# KiCad board hw-openmower-sabo.kicad_pcb (continued)
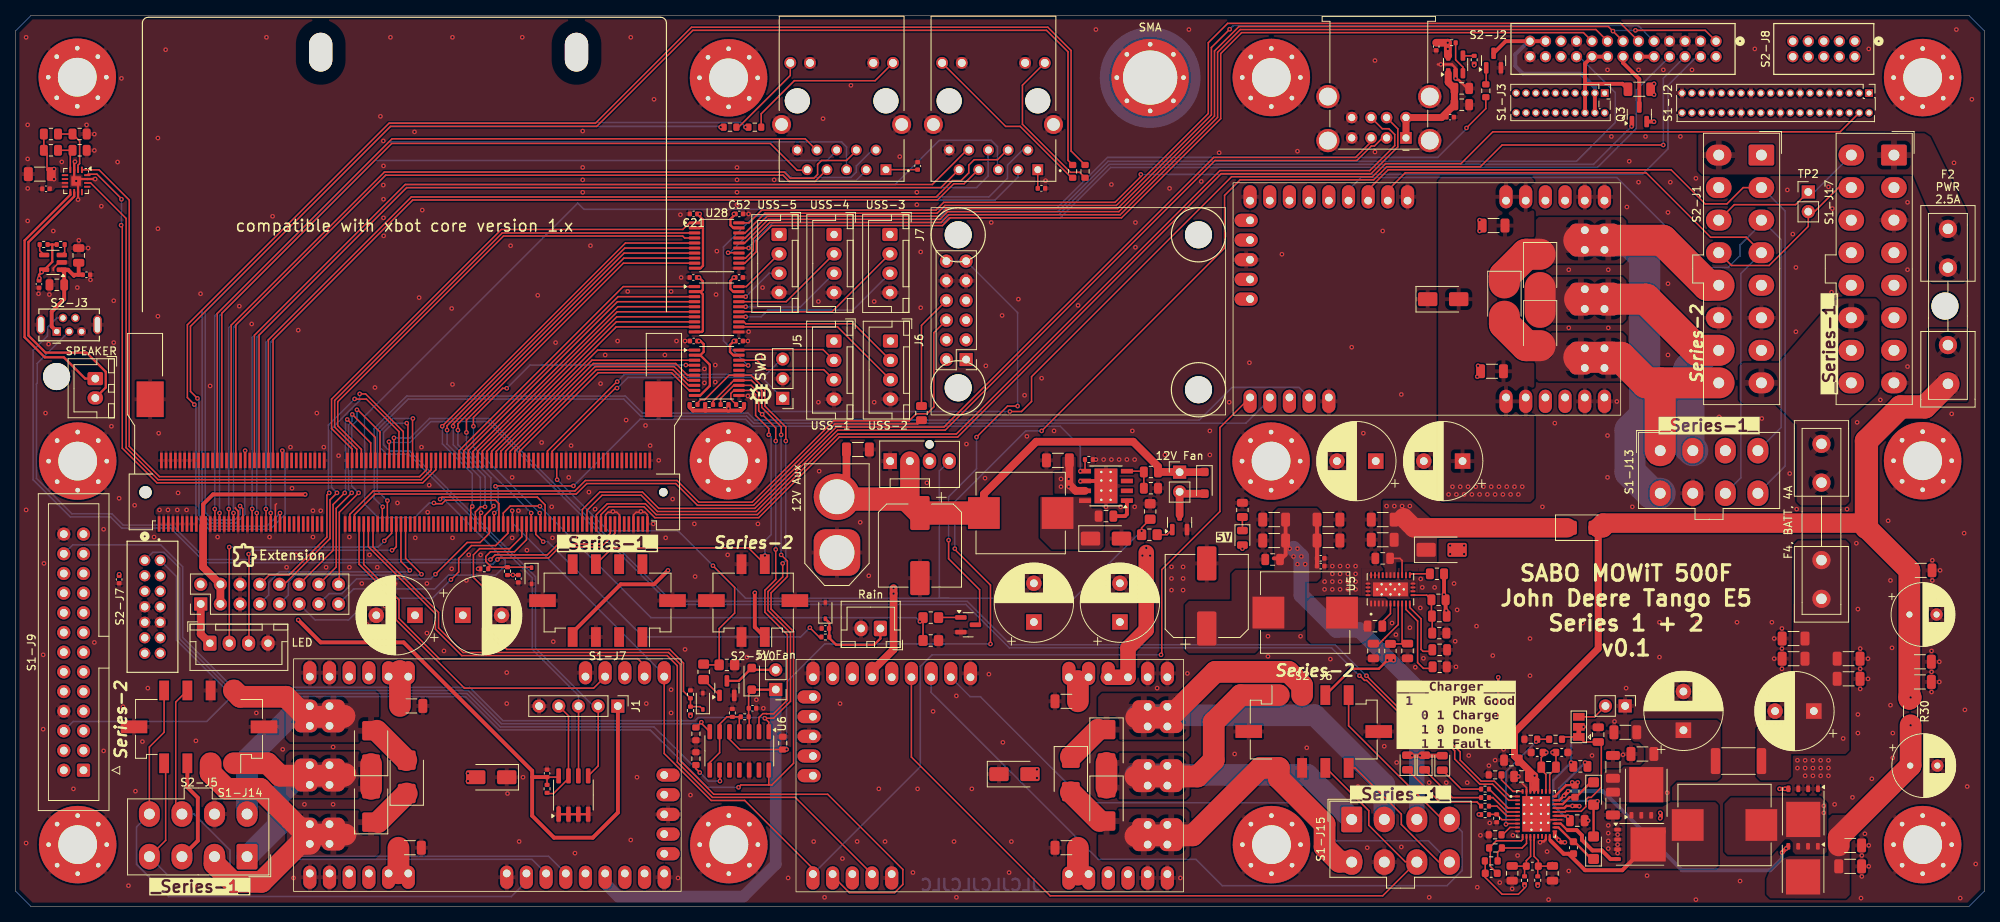
[diagram p0: board, top side]
## Nets (continued)
/Core/ETH0.PAIR_A_N: J26.63
/Core/ETH0.PAIR_A_P: J26.65
/Core/ETH0.PAIR_B_N: J26.64
/Core/ETH0.PAIR_B_P: J26.66
/Core/ETH0.PAIR_C_N: J26.57
/Core/ETH0.PAIR_C_P: J26.59
/Core/ETH0.PAIR_D_N: J26.58
/Core/ETH0.PAIR_D_P: J26.60
/Core/USBH4.N: J26.195
/Core/USBH4.P: J26.193
/DCDC/BIAS: C51.2 R26.2 U5.9
/FDCAN1.RX: J26.118
/FDCAN1.TX: J26.116
/GPIO0: J26.145 U8.11 U9.11 U10.11
/GPIO1: J26.131 U28.6
/GPIO2: J26.141 R24.2 R25.1
/GPIO3: J26.139 R32.2
/GPIO4: J26.137 R46.1 U4.5
/GPIO5: J26.133 U28.8
/GPIO6: J26.135 J32.13
/GPIO7: J26.143 J32.11
/GPIO8: J26.129 U28.7
/GPIO9: J26.127 U28.5
/GPIO10: J26.148 U11.9
/GPIO11: J26.146 U11.8
/GPIO12: J26.144 U11.7
/GPIO13: J26.142 U11.6
/GPIO14: J26.140 U11.3
/GPIO15: J26.138 U11.1
/GPIO16: J26.136 U12.9
/GPIO17: J26.134 U12.8
/GPIO18: J26.132 U12.7
/GPIO19: J26.130 U12.6
/GPIO20: J26.128 U12.5
/GPIO21: J26.122 U12.1
/GPIO22: J26.124 U12.3
/GPIO23: J26.126 U12.4
/I2C1.SCL: J26.94 U27.1
/I2C1.SDA: J26.92 U27.2
/I2C2.SCL: J26.98 J32.10
/I2C2.SDA: J26.96 J32.8
/I2C4_ID.SCL: J1.3 J26.102 U7.6
/I2C4_ID.SDA: J1.2 J26.100 U7.5
/I2S.CK: J26.112 U3.16
/I2S.SDI: J26.106
/I2S.SDO: J26.108 U3.1
/I2S.WS: J26.110 U3.14
/RASPI_FAN_ON: J26.164 J33.4 R52.2 R53.1 R60.2 R65.1
/RobotConnectors/BMC_GN: S1-J17.10 S2-J1.12 TP2.2
/RobotConnectors/BMC_YW: S1-J17.9 S2-J1.11 TP2.1
/RobotConnectors/BTN_~{CE}: S2-J2.8 U28.15
/RobotConnectors/HALL0_5V: R51.1 S1-J9.24 U6.1 U11.15
/RobotConnectors/HALL1_5V: R50.1 S1-J9.6 U6.14 U11.14
/RobotConnectors/HALL2_5V: R49.2 S1-J2.4 U6.2 U11.13
/RobotConnectors/HALL3_5V: R48.2 S1-J7.7 S2-J10.3 U11.12
/RobotConnectors/LATCH_LOAD: S2-J2.1 S2-J2.13 U28.16
/RobotConnectors/LCD_BACKLIGHT_ANODE: R29.1 S1-J3.5 S1-J3.6 S2-J2.16 S2-J2.18
/RobotConnectors/LCD_BACKLIGHT_KATHODE: Q2.3 S1-J3.3 S1-J3.4 S2-J2.23 S2-J2.25
/RobotConnectors/LCD_IN_X: S2-J2.15 U28.13
/RobotConnectors/LCD_IN_Y: S2-J2.17 U28.12
/RobotConnectors/LCD_IN_Z: S2-J2.20 U11.17
/RobotConnectors/MC_HALL_SENSOR.U: S1-J13.4 S2-J1.3 U9.4
/RobotConnectors/MC_HALL_SENSOR.V: S1-J13.8 S2-J1.2 U9.5
/RobotConnectors/MC_HALL_SENSOR.W: S1-J13.7 S2-J1.4 U9.6
/RobotConnectors/MC_PHASE.U: D12.2 D14.2 S1-J13.1 S2-J1.16 U9.U
/RobotConnectors/MC_PHASE.V: D12.1 D13.2 S1-J13.2 S2-J1.15 U9.V
/RobotConnectors/MC_PHASE.W: D13.1 D14.1 S1-J13.5 S2-J1.13 U9.W
/RobotConnectors/ML_HALL_SENSOR.U: S1-J14.7 S2-J5.7 U8.4
/RobotConnectors/ML_HALL_SENSOR.V: S1-J14.4 S2-J5.4 U8.5
/RobotConnectors/ML_HALL_SENSOR.W: S1-J14.8 S2-J5.8 U8.6
/RobotConnectors/ML_PHASE.U: D8.2 D10.2 S1-J14.5 S2-J5.5 U8.U
/RobotConnectors/ML_PHASE.V: D8.1 D9.2 S1-J14.1 S2-J5.1 U8.V
/RobotConnectors/ML_PHASE.W: D9.1 D10.1 S1-J14.2 S2-J5.2 U8.W
/RobotConnectors/MR_HALL_SENSOR.U: S1-J15.7 S2-J6.7 U10.4
/RobotConnectors/MR_HALL_SENSOR.V: S1-J15.4 S2-J6.4 U10.5
/RobotConnectors/MR_HALL_SENSOR.W: S1-J15.8 S2-J6.8 U10.6
/RobotConnectors/MR_PHASE.U: D18.2 D20.2 S1-J15.5 S2-J6.5 U10.U
/RobotConnectors/MR_PHASE.V: D18.1 D19.2 S1-J15.1 S2-J6.1 U10.V
/RobotConnectors/MR_PHASE.W: D19.1 D20.1 S1-J15.2 S2-J6.2 U10.W
/RobotConnectors/OE: Q3.3 S2-J2.14
/RobotConnectors/SPI_CLK: S2-J2.9 U28.17
/RobotConnectors/SPI_RX: S2-J2.4 U28.20
/RobotConnectors/SPI_TX: S2-J2.11 U28.18
/RobotConnectors/USS_1_ECHO_5V: J5.3 U11.18
/RobotConnectors/USS_1_TRIGGER_5V: J5.2 U11.20
/RobotConnectors/USS_2_ECHO_5V: J6.3 U12.12
/RobotConnectors/USS_2_TRIGGER_5V: J6.2 U12.13
/RobotConnectors/USS_3_ECHO_5V: J7.3 U12.14
/RobotConnectors/USS_3_TRIGGER_5V: J7.2 U12.15
/RobotConnectors/USS_4_ECHO_5V: J8.3 U12.16
/RobotConnectors/USS_4_TRIGGER_5V: J8.2 U12.17
/RobotConnectors/USS_5_ECHO_5V: J9.3 U12.18
/RobotConnectors/USS_5_TRIGGER_5V: J9.2 U12.20
/RobotConnectors/~{OE}: Q3.1 U28.14
/SPI1.MISO: J26.76 U28.1
/SPI1.MOSI: J26.78 U28.3
/SPI1.SCK: J26.80 U28.4
/SPI2.MISO: J26.84 J32.12
/SPI2.MOSI: J26.86 J32.14
/SPI2.SCK: J26.88 J32.16
/STM_SWCLK: J26.160 J31.3
/STM_SWDIO: J26.162 J31.1
/UART1.RX: J26.81 U8.12
/UART1.TX: J26.79 U8.14
/UART2.RX: J26.91 U9.12
/UART2.TX: J26.89 U9.14
/UART4.RX: J26.85 U10.12
/UART4.TX: J26.83 U10.14
/UART6.RX: J26.77 R58.2
/UART6.TX: J26.75 U13.9
/UART7.RX: J19.3 J26.95
/UART7.TX: J19.2 J26.93
/UART8.RX: J26.99 J32.9
/UART8.TX: J26.97 J32.7
/UART10.RX: J26.103
/UART10.TX: J26.101
/USB_EXT.N: J26.189 S2-J3.2
/USB_EXT.P: J26.187 S2-J3.3
/V_CHARGE: C38.1 C39.1 C42.1 C62.2 C79.1 C80.1 C85.2 C86.1 D28.2 F2.2 R21.1 R22.1 R30.1 R54.2 U27.30 U27.32 U27.33 U27.34
/xESC1/TEMPERATURE: U9.3
/xESC2/TEMPERATURE: U10.3
/xESC/TEMPERATURE: U8.3
/~{WC}: J1.4 R31.2 U7.7
Net-(C29-Pad2): C29.2 L1.1 U5.1 U5.2 U5.3 U5.4 U5.5
Net-(D1-K): D1.1 R19.1
Net-(D2-A): D2.2 D26.2 R66.2
Net-(D2-K): C48.2 D2.1 U27.20
Net-(D5-K): D5.1 R34.1
Net-(D6-K): D6.1 R35.1
Net-(D16-K): C12.2 D16.1 L3.1 U4.8
Net-(D21-K): C15.1 D21.1 J17.1 R47.2
Net-(D22-A): D22.2 M1.2 Q4.3
Net-(D25-A): D25.2 M2.2 Q5.3
Net-(D26-K): C76.2 D26.1 U27.26
Net-(D29-K): D29.1 R76.1
Net-(J16-VBUS1): C3.1 C4.1 C5.2 J16.1 J16.5 U1.1
Net-(J23-P1): C22.2 J23.1
Net-(J23-Pad11): J23.11 R11.2
Net-(J23-Pad14): J23.14 R12.2
Net-(J24-P1): C23.2 J24.1
Net-(J24-Pad11): J24.11 R13.2
Net-(J24-Pad14): J24.14 R14.2
Net-(JP1-B): JP1.3 TP1.2
Net-(Q1-D): Q1.3 U13.6 U13.12
Net-(Q1-G): Q1.1 R25.2
Net-(Q2-G): Q2.1 R32.1
Net-(Q4-G): Q4.1 R53.2
Net-(Q5-G): Q5.1 R65.2
Net-(Q6-D): C40.1 C41.1 C61.1 C77.1 C85.1 Q6.5 R30.2 U27.29
Net-(Q6-G): Q6.4 U27.27
Net-(Q7-D): C76.1 L4.1 Q6.1 Q6.2 Q6.3 Q7.5 U27.28
Net-(Q7-G): Q7.4 U27.25
Net-(Q8-D): C50.1 C55.1 C56.1 C58.1 C59.1 Q8.5 R67.2 R68.1
Net-(Q8-G): Q8.4 U27.19
Net-(Q9-D): C48.1 L4.2 Q8.1 Q8.2 Q8.3 Q9.5 U27.18
Net-(Q9-G): Q9.4 U27.21
Net-(S2-J2-Pin_6): R28.1 S2-J2.6 U6.5
Net-(S2-J3-VBUS): C6.1 C7.1 C8.2 S2-J3.1 U2.1
Net-(S2-J7-Pin_1): R10.1 S2-J7.1 U6.7
Net-(S2-J7-Pin_2): R9.1 S2-J7.2 U6.9
Net-(U1-EN): R1.1 U1.4
Net-(U1-~{FLT}): R3.2 U1.3
Net-(U2-EN): R2.1 U2.4
Net-(U2-~{FLT}): R4.2 U2.3
Net-(U3-GAIN_SLOT): R7.2 R8.1 U3.2
Net-(U3-~{SD_MODE}): R5.2 R6.1 U3.4
Net-(U4-BOOT): C12.1 U4.1
Net-(U4-VSENSE): R44.2 R45.1 U4.4
Net-(U5-CBOOT): C29.1 U5.6
Net-(U5-FB): C30.2 R17.2 R18.1 U5.12
Net-(U5-PGOOD): R16.1 U5.16
Net-(U5-RT): R15.1 U5.10
Net-(U5-SS_TRK): C27.1 U5.11
Net-(U5-VCC): C28.2 U5.8
Net-(U13-TXD): R58.1 U13.10
Net-(U27-FSW_SYNC): R74.2 U27.36
Net-(U27-ICHG): R20.2 U27.9
Net-(U27-~{CE}): R21.2 R75.1 U27.7

Pads without a net: J26 20 22 105 107 109 111 113 115 117 119 121 123 125 150 152 154 156 158 161 163 165 166 167 169 170 171 172 176 178 182 184 188 190 194 196 199 200 201 202; J33 3; S1-J2 1 2 5 6 7 8 11 12 13 14 16 17 18 19 21 22 23 24 26 27 29 30 31 32 34 35 36 37 38 40; S1-J3 1 2 7 8 9 10 11 12 13 14 15 16 17 18 19 20; S1-J7 1 2 5 6 8; S1-J9 1 2 3 4 5 9 10 11 12 13 14 15 16 17 18 19 20 21 22 23; S1-J17 2 4 5 6 7 11 12 13 15 16; S2-J1 5 7; S2-J2 2 21 22 24; S2-J3 4; S2-J7 4 5 6 8 11 12 13 14; S2-J8 1 2 3 4 5 6 7 8 9 10; U3 5 6 12 13; U4 2 3; U5 7 23; U6 10 11 13; U8 1 2 7 8 9 10 13; U9 1 2 7 8 9 10 13; U10 1 2 7 8 9 10 13; U11 16; U13 1 3 4 7; U27 3 15 16 31

## Via types
v1: diameter 0.6, hole 0.3, Top to Bottom, 748 vias

## Routing (per net, layer and track width the routed paths; a pad name or vN(x,y) marks a point on that pad's centre or on a via; arc(x,y) is an arc through that point)
/3.3V: length 221.9
  Top w0.2: 68.57,15.59 C63.1 69.91,16.7 ; v1(88.17,72.98) 88.07,73.08
  Top w0.3: v1(88.17,81.18) 88.67,80.68 88.67,79.58 88.44,79.36 U12.2 88.32,79.36 88.67,79.01 88.67,74.28 88.54,74.16 U12.10 ; 87.59,65.96 88.32,65.96 89.57,67.21 89.57,69.92 88.33,71.16 87.59,71.16 88.34,71.16 88.77,71.58 88.77,72.58 88.37,72.98 v1(88.17,72.98) ; 87.59,87.58 88.37,87.58 88.52,87.73 ; 88.52,87.73 88.68,87.57 88.68,82.7 88.37,82.38 87.59,82.38 ; 88.52,87.73 88.68,87.9 88.68,88.65 C21.1
  Top w0.5: C63.1 66.65,16.7 ; 66.65,16.7 66.65,11.7 69.47,8.88 74.47,8.88 77.71,12.12 77.71,25.86 ; 66.65,16.7 66.65,17.5 50.07,34.08 39.37,34.08 v1(36.47,36.98) ; v1(37.37,53.18) 25.47,53.18 24.19,51.91 24.19,49.09
  Top w1: 24.19,49.09 24.19,43.82 J32.4 J32.3
  In2.Cu-PWR w0.5: v1(88.27,89.38) 88.17,74.08 88.17,69.68 83.27,64.78 66.47,64.78 57.47,55.78 39.97,55.78 v1(37.37,53.18) ; v1(36.47,36.98) 36.37,36.88 28.59,36.88 J32.3
/5V: length 979
  Top w0.2: R5.1 R7.1 ; 94.64,24.42 U6.3 ; C9.1 4.07,95.07 4.07,97.19 ; v1(92.67,72.98) 92.78,72.98 ; 94.57,24.49 94.57,27.38 94.97,27.78
  Top w0.3: 4.74,85.43 R2.2 ; 4.74,85.43 R4.1 ; 4.74,85.43 4.74,83.2 3.72,82.18 ; C52.1 v1(92.67,89.38) 92.67,89.16 92.23,88.73 92.23,87.95 92.59,87.58 U28.19 ; U12.19 92.58,79.36 92.22,79.72 92.22,80.73 v1(92.67,81.18) ; U11.19 92.59,71.16 92.17,71.58 92.17,72.48 v1(92.67,72.98) ; S2-J6.3 172.37,30.68 175.87,30.68 v1(176.97,31.78) ; C2.1 3.03,81.05 v1(3.07,81.08) 3.03,81.12 3.03,81.52 3.37,81.86 v1(3.37,81.88) 3.39,81.88 U2.5 ; D22.1 98.04,27.98
  Top w0.5: R49.1 91.98,64.29 v1(91.97,64.28) 91.98,64.27 91.98,64.02 91.97,64.01 ; 183.97,19.47 181.18,19.47 v1(181.17,19.48) 181.16,19.47 180.18,19.47 v1(180.17,19.48) 180.16,19.47 179.62,19.47 ; 88.97,64.01 87.41,64.01 86.96,64.46 R51.2 ; 88.97,64.01 88.96,64.02 R50.2 ; 88.97,64.01 91.97,64.01 ; v1(84.17,43.38) 82.37,41.58 78.07,41.58 71.87,35.38 ; C33.1 C34.1 163.84,45.41 163.37,44.93 162.32,44.93 ; S2-J5.3 22.17,15.38 23.52,14.03 23.52,8.48 S1-J14.3 ; C32.1 C31.1 167.89,44.94 ; S2-J10.1 95.37,36.07 v1(95.37,40.48) ; Q3.2 211.34,101.31 ; 91.97,64.01 93.6,64.01 93.98,64.39 R48.1 ; R17.1 184.48,38.27 v1(184.57,38.18) 184.48,38.1 184.48,37.62 ; C37.2 C36.2 ; 184.28,39.78 184.28,40.27 v1(184.27,40.28) 184.28,40.3 184.28,42.27 184.27,42.28 184.28,42.3 R16.2 ; S2-J2.12 S2-J2.10
  Top w1: 183.27,111.48 v1(184.76,111.48) 184.77,111.47 v1(184.77,110.68) 184.77,109.87 U1.5 ; v1(113.27,41.08) v1(113.27,40.38) 113.27,33.17 110.49,30.39 ; J19.1 23.89,35.16 J32.1
  Top w2: 145.87,45.68 145.87,35.72 143.51,33.36 U10.5V U10.5V
  In2.Cu-PWR w0.5: 92.67,86.58 92.82,86.73 J9.1 ; 92.67,86.58 92.67,64.98 v1(91.97,64.28) ; 92.67,86.58 v1(92.67,89.38) ; S2-J1.10 215.77,92.78 211.37,97.18 v1(211.37,101.28) v1(211.37,104.78) v1(211.37,106.18) 211.37,106.88 ; 101.47,83.58 101.47,83.98 98.72,86.73 ; 211.37,106.88 S2-J2.10 ; 211.37,106.88 236.65,106.88 237.84,105.69 S1-J2.3 ; 11.77,43.28 12.17,42.88 v1(13.37,42.88) 16.47,42.88 ; 23.89,49.2 23.97,49.28
  In2.Cu-PWR w1: 215.87,63.53 214.52,62.18 202.61,62.18 199.89,64.9 ; 215.87,63.53 S1-J13.3 ; 215.87,63.53 215.87,88.93 S2-J1.10 ; 11.77,45.06 17.89,51.18 v1(18.57,51.18) 18.77,50.68 ; 11.77,45.06 S1-J9.25 1.97,54.86 1.97,79.88 3.27,81.18 3.27,92.18 v1(4.97,93.88) v1(4.97,95.18) ; 11.77,45.06 11.77,28.2 S1-J9.7 19.37,14.6 19.37,8.53 S1-J14.3 ; v1(176.97,31.78) v1(177.77,31.78) 178.17,31.78 v1(184.57,38.18) 184.47,38.28 184.47,40.08 v1(184.27,40.28) ; v1(184.76,111.48) 184.77,111.47 v1(184.77,110.68) 186.17,110.68 189.67,107.18 189.67,101.08 197.35,93.4 197.35,91.1 ; J8.1 J7.1 ; 122.47,72.98 J6.1 J5.1 101.47,72.98
  In2.Cu-PWR w2: 23.89,49.2 J32.2 J32.1 ; U8.5V U8.5V 43.04,31.3 41.36,32.98 36.87,32.98 35.07,31.18 26.87,31.18 25.07,32.98 J19.1 ; J8.1 104.62,86.73 101.47,83.58 101.47,40.98 101.77,40.68 101.67,40.58 100.07,40.58 ; 170.77,84.58 166.87,88.48 166.87,91.1 ; 170.77,84.58 197.15,84.58 197.35,84.78 ; 170.77,84.58 159.67,73.48 140.87,73.48 123.27,55.88 123.27,44.78 119.07,40.58 100.07,40.58 ; U9.5V U9.5V 197.35,91.1 199.89,91.1 ; M1.1 98.79,28.01 100.12,29.33 100.12,30.93 101.97,32.78 108.8,32.78 110.49,31.09 U10.5V ; v1(18.57,51.18) v1(19.67,51.18) v1(20.87,51.18) v1(22.07,51.18) 23.97,49.28 78.17,49.28 86.87,40.58 100.07,40.58
  In2.Cu-PWR w3: 123.97,46.28 145.47,46.28 ; 123.97,46.28 164.27,46.28 165.87,44.68 ; 123.97,46.28 123.87,46.18
  Bottom w1: 166.37,45.18 v1(166.37,44.18)
  Bottom w1.5: U8.5V 76.06,2.99 77.77,1.28 93.91,1.28 98.07,5.45 M1.1
  Bottom w2: 164.87,46.18 v1(165.87,45.18) 165.87,40.18 170.37,35.68 173.37,35.68 176.07,32.98 176.27,32.98 176.27,32.78 180.77,28.28 S1-J15.3
  vias: v1(145.37,45.28) v1(145.87,46.28) v1(146.37,45.28) v1(158.27,46.18) v1(164.37,46.18) v1(164.87,45.18) v1(165.37,46.18) v1(165.37,44.18) v1(188.17,108.58)
/AuxPSU/12V_OUT: length 67.2
  Top w1: L3.2 124.92,53.23 131.67,59.98 144.18,59.98 147.38,56.78 R44.1 150.14,56.08 ; C16.1 107.19,54.11 ; M2.1 153.34,56.06
  Top w2.5: J33.2 115.37,52.08 C13.1
  Top w3: 106.27,52.58 114.87,52.58 C13.1 L3.2
/RobotConnectors/RobotConnectorsSeries-2/2.6V_REF: length 11.6
  Top w0.2: U6.8 89.56,18.58 90.83,19.85 U6.6 90.83,23.53 91.78,24.48 R27.2 93.37,24.29 U6.4
/VBATT: length 274.1
  Top w0.2: 189.59,5.83 C49.1 189.59,3.76 191.77,1.58 193.87,1.58 194.67,2.38 v1(194.67,2.68)
  Top w2.8: 137.04,26.48 137.04,29.06 137.07,29.08 ; 137.04,7.58 137.04,4.11 ; 49.37,4.28 49.4,4.31 C66.1 ; 49.59,25.88 49.59,30.36 49.57,30.38
  In2.Cu-PWR w0.2: 87.07,21.58 86.07,20.58
  In2.Cu-PWR w0.3: v1(87.07,24.58) 87.07,21.58
  In2.Cu-PWR w0.5: v1(235.77,21.68) 235.77,11.68 226.02,1.93 195.42,1.93 v1(194.67,2.68)
  In2.Cu-PWR w5: C69.1 183.07,65.08 193.47,65.08 ; 83.47,20.58 91.43,20.58 91.53,20.48 93.07,20.48 101.87,11.68 131.87,11.68 ; 58.67,20.58 86.07,20.58
  In2.Cu-PWR w7: 207.57,42.38 207.57,35.58 197.47,25.48 161.97,25.48 150.87,36.58 134.07,36.58 132.87,35.38 132.87,35.18
  vias: v1(58.37,17.18) v1(58.37,16.18) v1(131.77,17.68) v1(131.77,16.58) v1(184.87,53.18) v1(185.07,46.58) v1(185.07,45.48) v1(185.37,54.18) v1(185.87,53.18) v1(186.37,54.18) v1(186.87,53.18) v1(186.87,46.58) v1(186.87,45.48) v1(187.37,54.18) v1(187.87,53.18) v1(188.37,54.18) v1(188.87,53.18) v1(189.37,54.18) v1(189.87,53.18) v1(190.37,54.18) v1(190.87,53.18) v1(191.37,54.18) v1(191.87,53.18) v1(192.37,54.18) v1(192.87,53.18) v1(193.37,54.18) v1(193.87,53.18) v1(194.37,54.18)
/VIN: length 80.6
  Top w0.2: U5.18 178.87,44.65 178.59,44.93 C26.1
  Top w1: C11.1 135.94,54.47 136.76,53.65 U4.7
  Top w2.5: D28.1 180.37,48.88 179.07,50.18
  In2.Cu-PWR w1: v1(135.87,54.18) v1(135.87,55.18) v1(134.87,55.18) v1(134.87,54.18) v1(135.87,54.18) ; v1(135.87,54.18) 139.47,50.58 152.47,50.58 153.57,51.68 v1(177.87,51.68) v1(178.87,51.68) v1(179.87,51.68)
  vias: v1(176.87,51.68)
GND: length 43.2
  Top w0.2: 194.92,12.59 U27.35 194.92,15.33 194.37,15.88 ; v1(185.77,106.88) U1.2 185.77,108.21 ; J26.185 76.12,50.57 76.44,50.88 76.97,50.88 v1(77.07,50.98) 77.17,50.88 77.57,50.88 77.92,50.53 J26.191 ; 4.87,82.08 4.87,82.39 5.62,83.13 ; J26.197 79.72,50.54 80.06,50.88 80.57,50.88 v1(80.67,50.98) 80.77,50.88 81.2,50.88 81.52,50.57 J26.203 ; 199.47,11.18 199.45,11.21 U27.22 196.92,11.21 ; 195.35,9.71 196.17,10.52 ; 28.37,51.48 28.37,51.38 28.72,51.03 J26.35 ; J26.51 33.52,51.83 33.67,51.98
  Top w0.3: U7.4 U7.1 70.06,12.83 ; U27.17 197.42,8.66 197.16,8.41 196.79,8.41 v1(196.67,8.28) ; v1(8.07,91.23) U3.11 8.07,93.4 ; 7.57,93.89 U3.3 7.57,96.03 v1(7.67,96.13) ; v1(185.77,106.88) 185.97,106.68 186.17,106.68 187.27,105.58 ; v1(10.28,93.89) U3.15 8.08,93.89 ; 183.47,108.68 v1(183.87,108.68) 185.29,108.68 185.77,108.21
  Top w0.5: U4.6 140,54.92
  vias: v1(1.37,112.18) v1(1.37,51.18) v1(1.37,8.18) v1(1.57,100.88) v1(1.57,96.48) v1(1.57,92.68) v1(1.57,88.48) v1(2.97,79.08) v1(3.57,32.48) v1(3.57,22.88) v1(3.67,44.28) v1(3.87,63.68) v1(4.27,72.58) v1(4.37,78.98) v1(4.87,87.18) v1(5.97,96.1) v1(7.47,15.18) v1(7.83,93.64) v1(7.97,79.88) v1(8.17,85.98) v1(9.17,100.88) v1(9.37,84.98) v1(9.67,80.88) v1(10.17,99.68) v1(10.17,97.58) v1(10.17,34.08) v1(11.07,90.38) v1(11.37,48.68) v1(11.37,20.08) v1(12.37,61.98) v1(12.67,78.18) v1(12.67,72.78) v1(13.17,96.08) v1(13.37,52.68) v1(13.67,106.88) v1(13.87,25.78) v1(14.57,2.68) v1(15.37,51.78) v1(15.47,14.88) v1(16.37,21.28) v1(17.07,28.18) v1(17.87,47.68) v1(18.37,99.18) v1(18.37,87.48) v1(18.37,76.18) v1(18.47,61.08) v1(19.37,110.58) v1(20.97,53.38) v1(23.07,2.68) v1(23.27,21.38) v1(23.87,79.08) v1(25.11,67.18) v1(26.07,47.68) v1(28.87,77.48) v1(30.47,75.18) v1(31.07,24.98) v1(32.37,112.18) v1(32.77,47.68) v1(33.17,89.08) v1(34.47,20.28) v1(34.97,43.78) v1(35.47,59.28) v1(35.67,53.98) v1(35.87,3.68) v1(36.17,45.38) v1(36.47,74.38) v1(37.27,13.18) v1(38.37,51.08) v1(38.37,47.68) v1(38.87,63.68) v1(39.37,51.08) v1(39.37,45.38) v1(39.77,59.28) v1(40.07,43.78) v1(40.97,20.58) v1(40.97,13.18) v1(41.67,58.18) v1(43.07,47.68) v1(43.07,43.78) v1(44.67,41.68) v1(45.37,36.38) v1(45.67,45.38) v1(46.37,66.98) v1(46.67,43.78) v1(47.07,101.98) v1(47.45,98.81) v1(47.47,95.58) v1(47.45,93.11) v1(47.47,91.28) v1(47.47,88.88) v1(47.49,86.56) v1(47.67,38.78) v1(48.37,112.18) v1(48.97,41.68) v1(49.27,52.08) v1(51.47,99.98) v1(51.57,47.58) v1(52.07,78.58) v1(52.37,59.28) v1(52.47,89.88) v1(53.07,41.68) v1(53.07,35.28) v1(53.17,50.88) v1(53.37,54.38) v1(55.27,32.98) v1(56.27,77.18) v1(56.27,43.58) v1(56.37,112.18) v1(56.37,67.38) v1(56.37,47.58) v1(58.17,42.08) v1(58.47,45.38) v1(59.67,43.58) v1(60,45.38) v1(62.87,35.48) v1(63.37,30.18) v1(63.37,26.18) v1(63.47,14.58) v1(63.87,85.28) v1(63.87,35.48) v1(64.07,55.38) v1(64.07,47.58) v1(64.87,51.08) v1(64.97,8.38) v1(65.37,112.18) v1(65.47,16.68) v1(65.97,45.98) v1(67.37,78.88) v1(67.87,59.88) v1(69.17,51.58) v1(69.27,47.58) v1(69.37,34.18) v1(69.67,72.78) v1(71.37,55.38) v1(71.67,59.48) v1(72.17,6.88) v1(72.57,47.58) v1(73.17,100.08) v1(73.17,95.38) v1(73.17,93.78) v1(73.17,92.18) v1(73.97,53.48) v1(74.17,85.28) v1(74.77,51.28) v1(75.47,67.48) v1(76.07,71.18) v1(77.67,72.98) v1(77.67,47.58) v1(78.77,62.78) v1(78.97,79.38) v1(79.37,112.18) v1(79.37,8.58) v1(80.17,16.68) v1(81.27,62.08) v1(81.37,26.18) v1(81.87,59.48) v1(82.27,49.38) v1(82.37,104.18) v1(82.97,57.58) v1(83.77,71.18) v1(83.87,47.58) v1(84.57,79.38) v1(84.57,27.98) v1(84.57,24.98) v1(84.77,52.58) v1(85.27,72.98) v1(85.47,3.68) v1(85.77,89.28) v1(85.87,81.18) v1(86.37,72.98) v1(86.37,33.18) v1(87.07,14.38) v1(87.57,49.38) v1(87.67,42.58) v1(88.87,69.38) v1(88.87,67.58) v1(90.27,69.88) v1(90.27,67.68) v1(90.37,78.98) v1(90.47,84.58) v1(91.87,45.38) v1(93.07,95.38) v1(93.07,93.78) v1(93.07,92.18) v1(93.07,90.58) v1(94.37,32.18) v1(94.47,72.98) v1(94.47,65.88) v1(94.57,89.38) v1(94.57,74.18) v1(95.57,26.68) v1(95.77,49.38) v1(96.37,79.88) v1(96.47,70.98) v1(96.47,25.58) v1(97.87,93.78) v1(99.67,3.68) v1(102.97,8.38) v1(103.57,78.08) v1(103.57,65.08) v1(103.67,56.18) v1(104.17,101.68) v1(104.37,1.18) v1(106.37,26.18) v1(106.67,6.18) v1(107.77,105.98) v1(108.57,8.38) v1(108.97,49.58) v1(110.07,42.68) v1(110.77,78.08) v1(110.77,65.08) v1(111.37,15.18) v1(112.17,8.38) v1(114.07,96.78) v1(115.77,4.38) v1(116.27,92.18) v1(116.27,90.58) v1(116.37,15.18) v1(116.77,84.48) v1(116.77,77.28) v1(117.57,54.68) v1(118.37,25.18) v1(121.07,8.38) v1(121.37,27.18) v1(121.37,1.18) v1(122.67,59.68) v1(123.37,15.18) v1(125.07,55.28) v1(125.17,69.78) v1(125.57,29.98) v1(125.87,88.28) v1(127.27,76.28) v1(127.37,21.18) v1(128.17,4.38) v1(128.47,8.38) v1(129.37,78.38) v1(129.47,42.68) v1(129.47,41.88) v1(129.47,41.08) v1(130.17,65.98) v1(130.47,60.68) v1(132.37,68.18) v1(132.87,93.68) v1(133.97,61.38) v1(137.07,77.58) v1(137.37,54.88) v1(139.37,113.18) v1(139.37,57.68) v1(140.37,57.68) v1(140.67,51.58) v1(140.67,42.08) v1(140.67,41.38) v1(140.67,40.68) v1(141.37,93.18) v1(141.37,57.68) v1(142.37,57.68) v1(142.57,51.58) v1(143.37,57.68) v1(144.07,61.38) v1(144.37,57.68) v1(144.37,51.58) v1(144.47,88.28) v1(144.47,85.08) v1(147.27,28.18) v1(148.27,58.28) v1(148.87,92.68) v1(149.12,43.83) v1(149.12,42.33) v1(149.12,40.83) v1(150.27,3.68) v1(150.62,43.83) v1(150.62,42.33) v1(150.62,40.83) v1(151.17,30.08) v1(151.37,113.18) v1(152.97,93.58) v1(154.07,61.38) v1(154.07,58.28) v1(155.27,97.28) v1(156.57,65.08) v1(157.27,19.68) v1(159.17,70.18) v1(161.57,34.88) v1(161.57,32.28) v1(163.37,84.18) v1(165.37,97.48) v1(165.77,34.88) v1(166.57,20.48) v1(168.87,55.28) v1(168.87,41.93) v1(168.87,40.93) v1(169.62,31.93) v1(169.67,55.28) v1(169.87,43.93) v1(169.87,42.93) v1(169.87,41.93) v1(169.87,40.93) v1(170.47,55.28) v1(170.87,43.93) v1(170.87,42.93) v1(170.87,41.93) v1(170.87,40.93) v1(171.87,43.93) v1(171.87,42.93) v1(171.87,41.93) v1(171.87,40.93) v1(172.37,72.18) v1(172.87,43.93) v1(172.87,42.93) v1(172.87,41.93) v1(172.87,40.93) v1(173.17,15.48) v1(173.87,61.08) v1(174.37,7.58) v1(175.37,109.18) v1(175.37,97.38) v1(176.37,87.18) v1(176.57,20.68) v1(177.57,36.58) v1(178.07,35.08) v1(178.17,18.58) v1(178.77,66.08) v1(178.77,7.68) v1(179.87,35.98) v1(180.57,30.88) v1(180.87,55.78) v1(181.22,38.53) v1(181.27,42.28) v1(181.47,41.18) v1(181.57,55.78) v1(181.62,32.03) v1(182.27,55.78) v1(182.37,15.98) v1(182.37,1.18) v1(183.07,41.18) v1(184.57,15.98) v1(185.57,41.68) v1(185.72,34.23) v1(185.82,30.93) v1(185.97,38.28) v1(187.27,15.98) v1(187.47,19.48) v1(188.47,36.18) v1(188.57,68.38) v1(188.57,2.48) v1(188.67,69.78) v1(188.87,88.58) v1(188.87,87.18) v1(188.97,9.18) v1(190.07,18.18) v1(190.17,10.78) v1(190.57,32.38) v1(190.87,18.88) v1(191.47,3.08) v1(191.97,20.28) v1(193.07,2.28) v1(193.17,9.18) v1(193.77,6.58) v1(193.87,16.78) v1(195.37,34.58) v1(195.37,29.78) v1(196.97,51.58) v1(197.57,7.08) v1(197.77,0.88) v1(198.57,62.38) v1(200.37,82.18) v1(200.37,74.68) v1(200.37,4.58) v1(202.17,36.58) v1(202.87,11.08) v1(203.37,19.48) v1(205.37,107.98) v1(205.37,60.78) v1(205.37,55.38) v1(205.47,82.18) v1(205.47,74.68) v1(205.46,10.47) v1(205.46,9.47) v1(205.46,8.47) v1(205.46,7.47) v1(205.87,99.38) v1(206.27,23.88) v1(206.57,65.18) v1(206.67,9.28) v1(206.67,7.98) v1(206.67,6.88) v1(207.37,19.58) v1(207.77,28.18) v1(207.87,90.28) v1(208.17,96.18) v1(208.57,51.58) v1(209.37,107.98) v1(209.37,93.48) v1(210.27,99.38) v1(210.47,3.98) v1(212.07,36.68) v1(212.07,32.18) v1(212.57,107.98) v1(212.87,28.68) v1(212.87,27.68) v1(212.87,26.68) v1(213.17,89.58) v1(213.17,80.38) v1(213.17,71.18) v1(213.47,93.48) v1(214.77,99.38) v1(216.27,107.98) v1(216.77,93.98) v1(216.77,0.88) v1(216.97,36.68) v1(217.37,28.68) v1(217.37,27.68) v1(217.37,26.68) v1(219.77,63.18) v1(222.07,36.68) v1(222.47,3.28) v1(224.37,110.68) v1(225.11,27.32) v1(225.11,26.32) v1(225.11,25.32) v1(225.27,62.98) v1(226.11,27.32) v1(226.57,36.68) v1(226.87,34.58) v1(226.87,31.98) v1(227.11,27.32) v1(227.87,35.88) v1(227.87,33.28) v1(227.87,30.68) v1(228.57,92.48) v1(228.87,55.88) v1(229.27,86.78) v1(229.67,82.48) v1(229.67,74.18) v1(229.77,51.28) v1(229.86,18.87) v1(229.86,17.87) v1(230.86,18.87) v1(230.86,17.87) v1(230.86,16.87) v1(231.86,18.87) v1(231.86,17.87) v1(231.86,16.87) v1(232.86,18.87) v1(232.86,17.87) v1(232.86,16.87) v1(233.87,92.88) v1(233.86,18.87) v1(233.86,17.87) v1(233.86,16.87) v1(234.27,79.28) v1(234.37,90.08) v1(234.67,13.18) v1(236.27,51.28) v1(236.97,14.08) v1(237.47,46.88) v1(237.57,62.48) v1(237.67,38.38) v1(237.67,24.78) v1(237.67,22.38) v1(237.97,33.28) v1(237.97,30.68) v1(237.97,28.08) v1(238.07,1.08) v1(238.17,6.58) v1(238.17,3.88) v1(238.57,9.38) v1(238.97,31.98) v1(238.97,29.38) v1(239.07,110.68) v1(239.07,7.88) v1(239.07,5.18) v1(239.47,16.48) v1(240.57,65.38) v1(241.57,49.78) v1(241.87,42.08) v1(241.87,25.98) v1(242.07,33.38) v1(242.17,22.38) v1(242.17,19.18) v1(244.07,90.88) v1(244.07,82.18) v1(244.07,69.68) v1(246.87,39.68) v1(246.87,35.68) v1(246.87,20.18) v1(246.87,16.18) v1(247.17,32.98) v1(247.17,30.28) v1(247.17,27.68) v1(247.27,44.68) v1(247.27,42.08) v1(247.87,39.68) v1(247.87,35.68) v1(247.87,20.18) v1(247.87,16.18) v1(248.17,31.58) v1(248.17,28.98) v1(248.27,43.38) v1(248.87,39.68) v1(248.87,35.68) v1(248.87,20.18) v1(248.87,16.18) v1(249.77,63.58) v1(250.07,95.98) v1(250.37,113.18) v1(250.87,1.08) v1(251.37,48.18) v1(251.47,25.38) v1(251.77,15.48) v1(252.37,104.18) v1(252.87,5.48)
/AGPIO0: length 54.1
  Top w0.2: D24.1 88.31,25.79 R56.1 R57.2 86.17,27.77 86.17,31.42 84.4,33.18 63.37,33.18 60.37,36.18 60.37,41.18 59.07,42.48 59.07,45.38 59.87,46.18 63.77,46.18 65.32,47.73 J26.149
/AGPIO1: length 15.3
  Top w0.2: J26.151 65.92,47.33 64.37,45.78 61.27,45.78 60.67,45.18 60.67,44.54 61.2,44.01 ; 61.2,44.01 61.41,43.79 R54.1 66.51,43.79 ; 61.2,44.01 60.98,43.79
/AGPIO2: length 54.7
  Top w0.2: 87.59,83.03 78.42,83.03 58.17,62.78 v1(58.17,61.18) ; v1(66.52,50.78) J26.153
  Bottom w0.2: v1(58.17,61.18) 58.17,59.13 v1(66.52,50.78)
/AGPIO3: length 44.7
  Top w0.2: v1(68.07,47.08) 67.12,48.03 J26.155 ; v1(102.47,35.98) 103.67,34.78 R47.1
  Bottom w0.2: v1(68.07,47.08) 68.67,47.08 80.97,34.78 101.27,34.78 v1(102.47,35.98)
/AGPIO4: length 48.7
  Top w0.2: v1(59.07,61.98) 59.07,63.12 62.84,66.88 v1(63.37,66.88) ; 87.59,69.86 86.49,69.86 v1(86.47,69.88) ; v1(67.62,50.78) 67.62,50.67 67.72,50.57 J26.157
  Bottom w0.2: v1(86.47,69.88) 66.37,69.88 v1(63.37,66.88) ; v1(67.62,50.78) 59.07,59.34 v1(59.07,61.98)
/AGPIO5: length 52.5
  Top w0.2: v1(54.77,52.58) 55.02,52.83 67.32,52.83 68.32,51.83 J26.159
  Bottom w0.2: J32.15 43.61,40.98 54.07,40.98 55.87,42.78 61.97,42.78 63.17,43.98 63.17,44.68 55.27,52.58 v1(54.77,52.58)
/Amplifier/SPEAKER.+: length 32.5
  Top w0.3: U3.9 7.07,91.86 1.17,85.96 1.17,73.48 3.77,70.88 6.23,70.88 8.98,68.13 J18.1
/Amplifier/SPEAKER.-: length 36.8
  Top w0.3: U3.10 7.57,91.65 1.67,85.75 1.67,73.69 3.88,71.48 9.17,71.48 11.64,69.01 11.64,66.98 J18.2
/Charger/DRV_SUP: length 16
  Top w0.3: U27.23 200.15,11.71 v1(200.27,11.58)
  Bottom w0.3: v1(200.27,11.58) 199.87,11.58 198.37,13.08 198.37,16.28 v1(200.67,18.58) 200.67,21.58 v1(202.27,23.18)
/Charger/FB: length 6.2
  Top w0.2: R33.2 191.19,7.01 R71.1 194.34,7.56 194.92,8.13 U27.12